# Altium PCB IntelliModule-Alpha-Baseboard.PcbDoc
Units mm, origin at the board's own origin, x right, y up, seen from the top; angles counter-clockwise.
Board outline 61 x 96 mm, 4 copper layers (Top Layer, Layer 1, Layer 2, Bottom Layer), stack 1.572 mm thick; 35 components, 50 nets, 1698 pads, 97 vias.
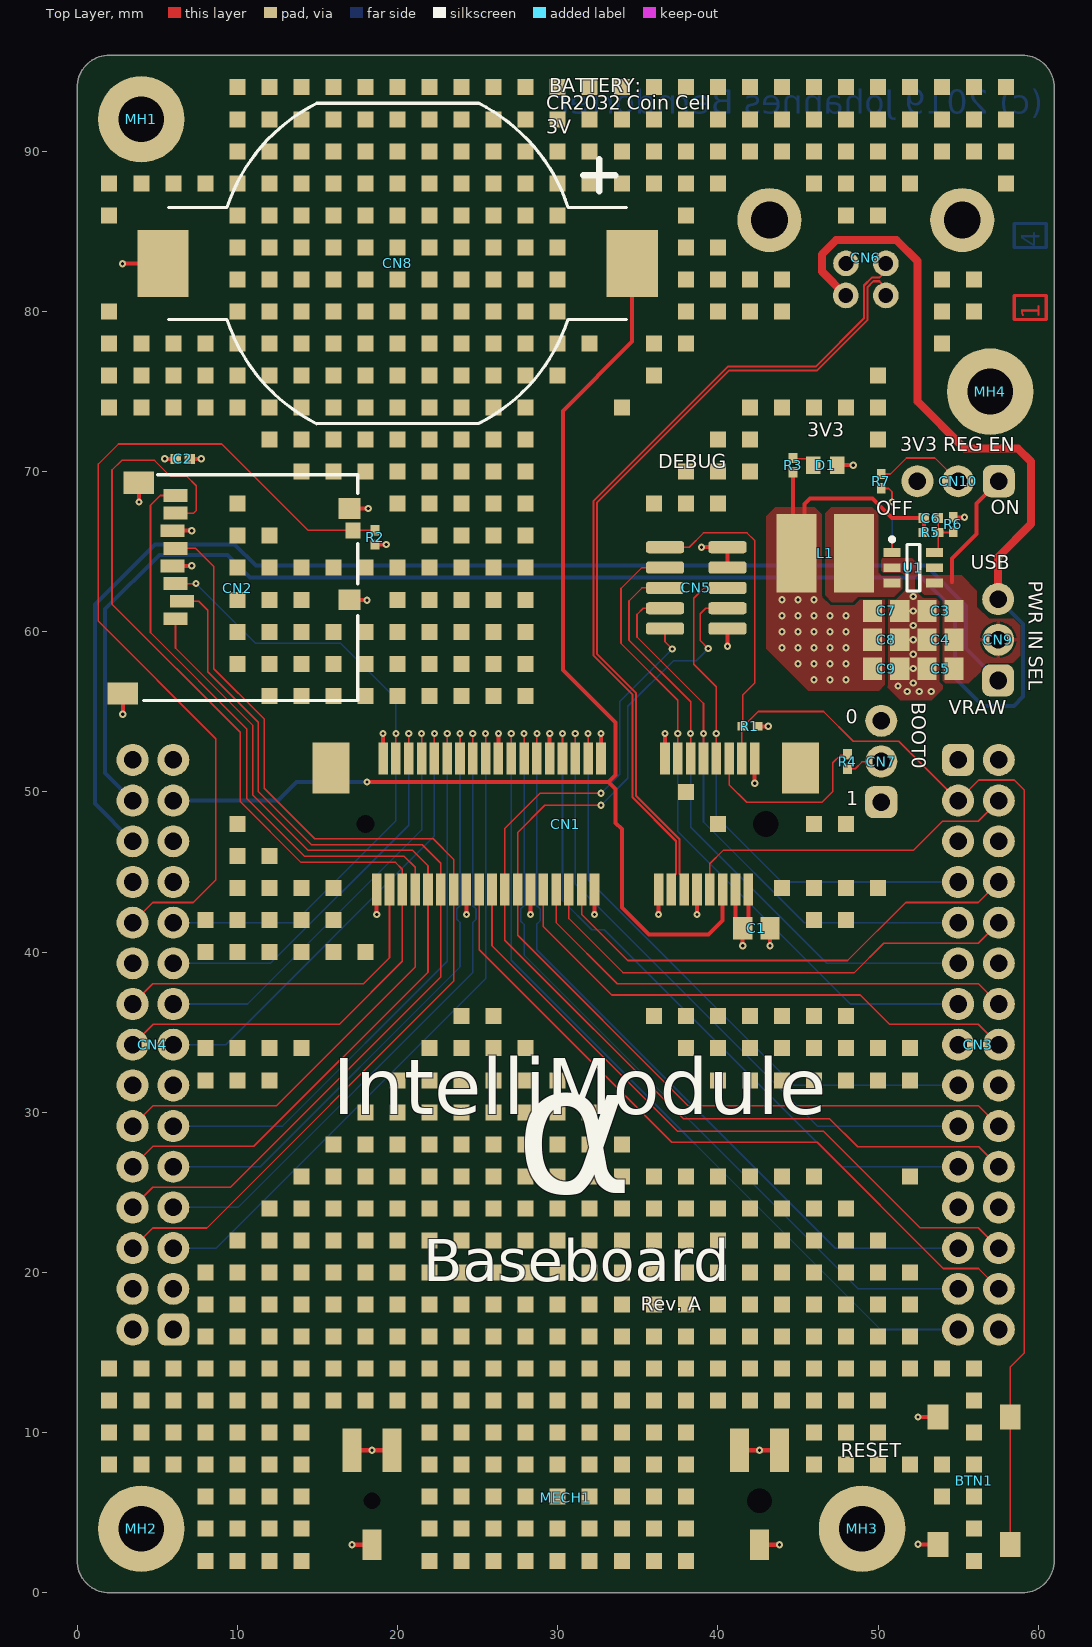
[diagram p0: Top Layer view]
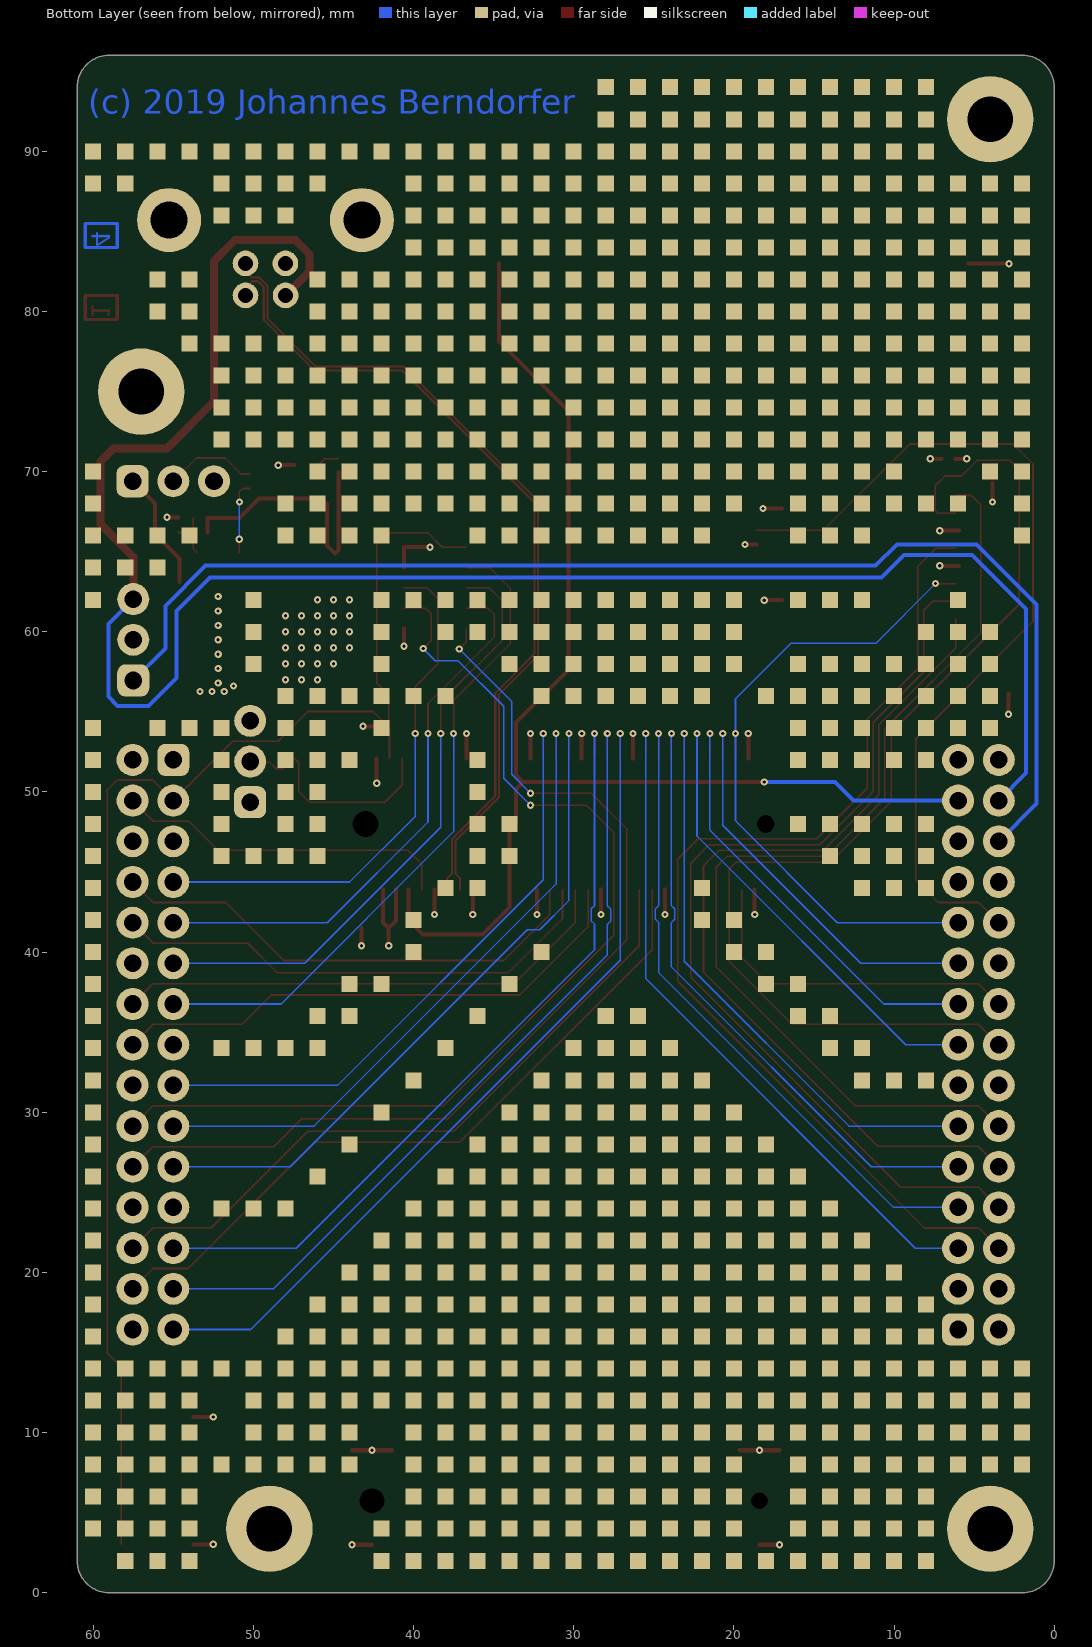
[diagram p1: Bottom Layer view, seen from below]
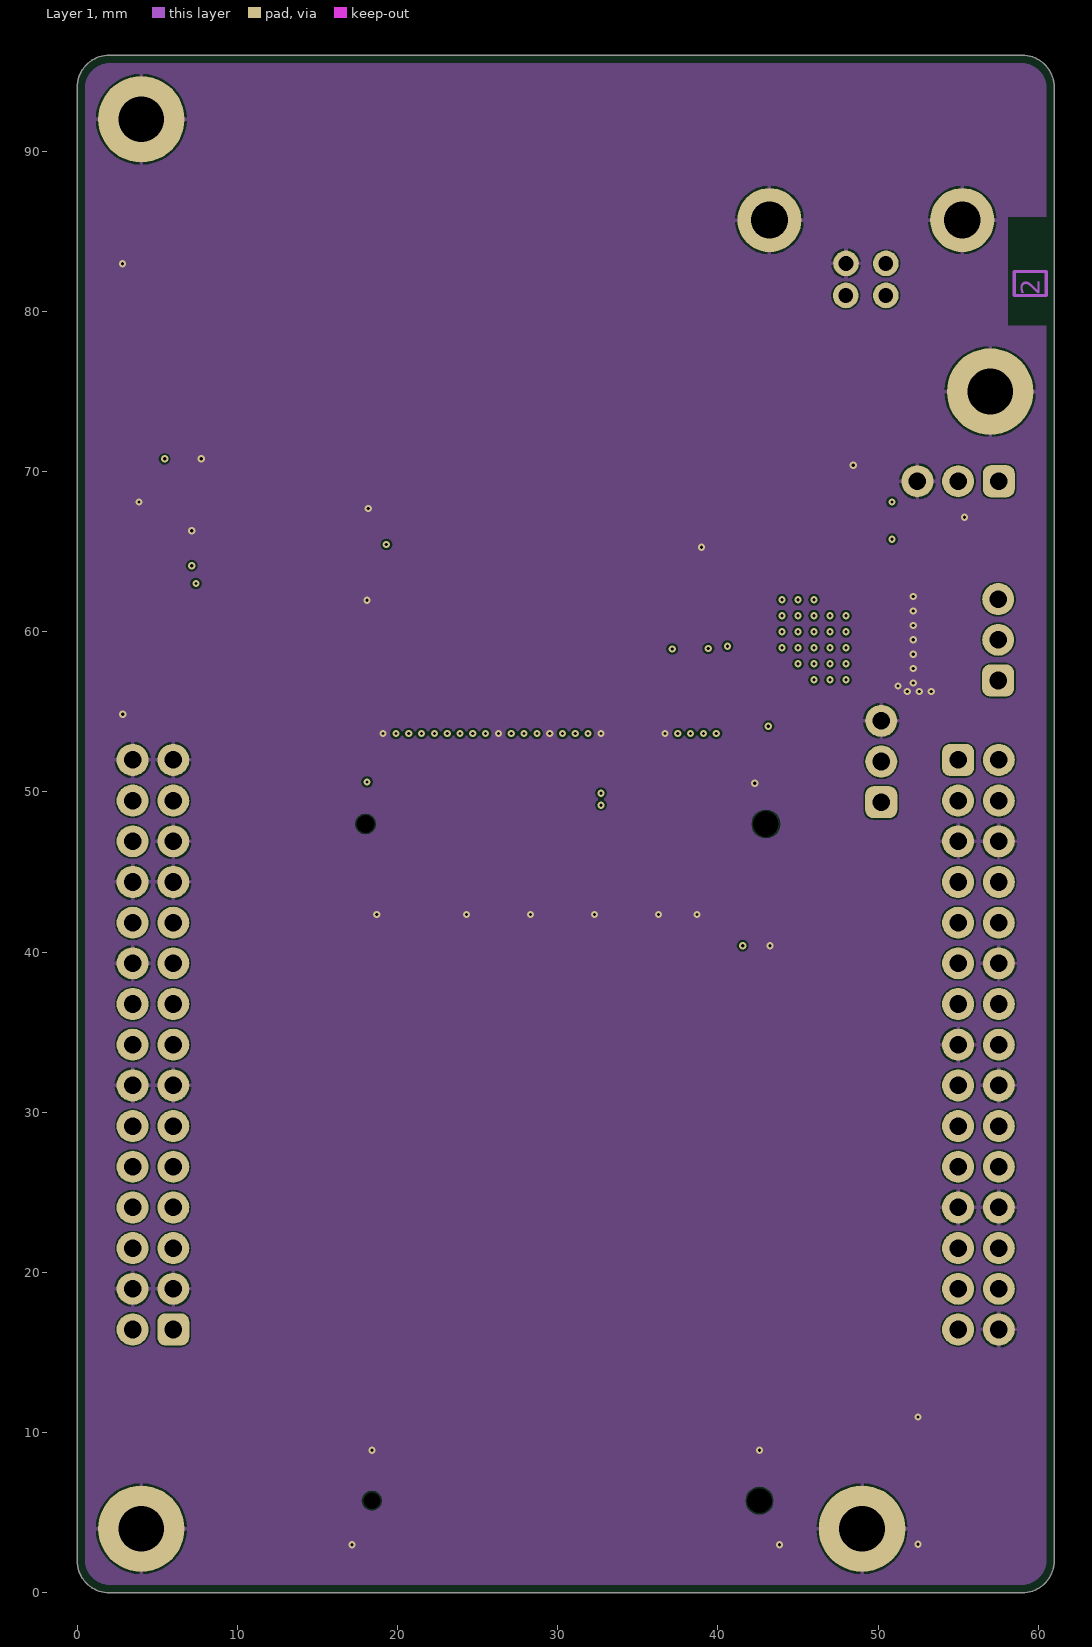
[diagram p2: Layer 1]
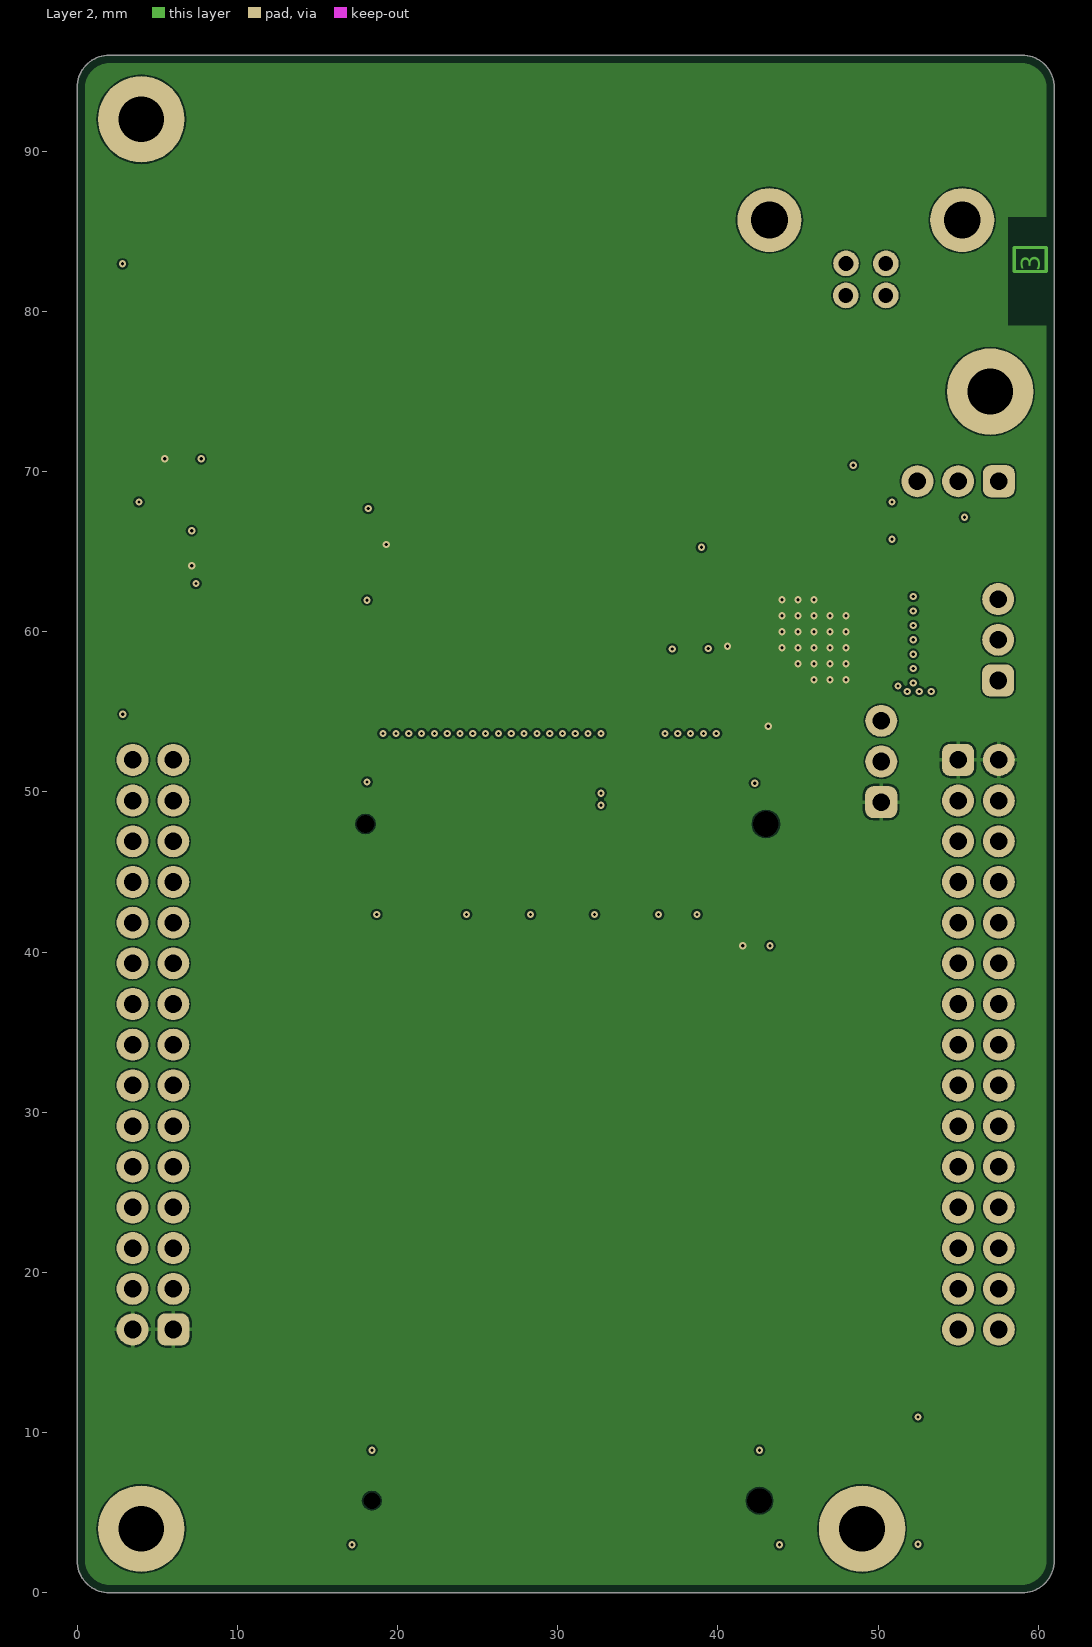
[diagram p3: Layer 2]
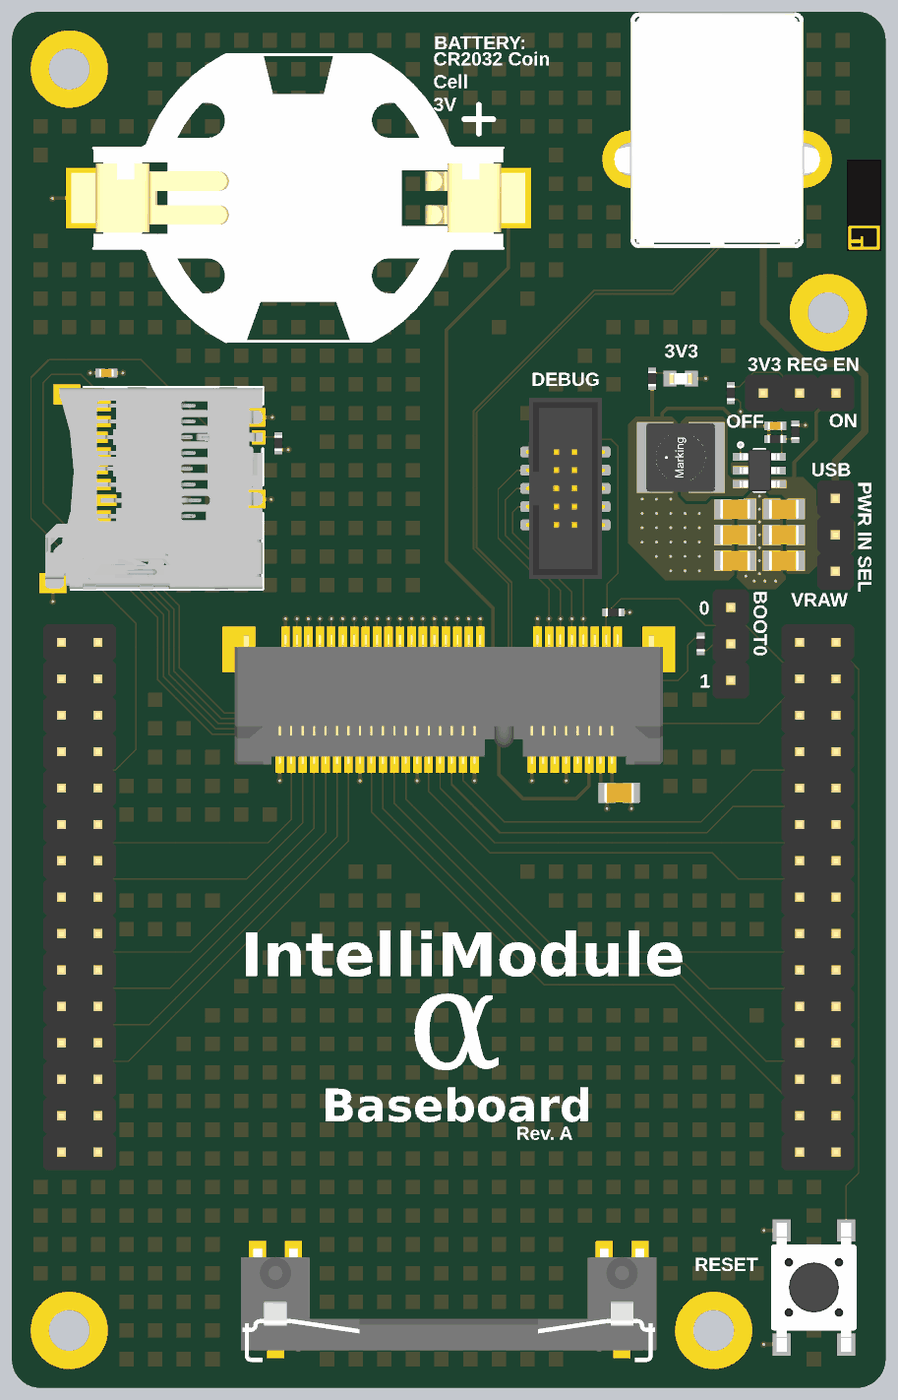
[diagram p4: 3D render of the assembled board from above, using the file's embedded part models]

## Layer stack, top to bottom
Top Solder: solder mask 0.0102, Solder Resist, Dk 3.5
Top Layer: signal copper 0.0356
Dielectric 2: prepreg 0.1, 2313-Prepreg, Dk 4.05
Layer 1: signal copper 0.0178
Dielectric 1: dielectric 1.265, FR-4, Dk 4.8
Layer 2: signal copper 0.0178
Dielectric 3: prepreg 0.1, 2313-Prepreg, Dk 4.05
Bottom Layer: signal copper 0.0356
Bottom Solder: solder mask 0.0102, Solder Resist, Dk 3.5

## Board outline
0,2 0,94 cw(c2,94) 2,96 59,96 cw(c59,94) 61,94 61,2 cw(c59,2) 59,0 2,0 cw(c2,2)

## Design rules (kind name [scope] priority, off if disabled: settings)
BoardOutlineClearance [All] p1: gap=0.127 ignorepadtopadclearanceinfootprint=FALSE except(0.5: Poly-OutlineEdge Poly-CavityEdge Poly-CutoutEdge Poly-SplitBarrior Poly-SplitContinuation)
Clearance [All] p1: gap=0.089 ignorepadtopadclearanceinfootprint=FALSE except(0.127: Arc-Via Track-Via SMDPad-Via THPad-Via Via-Via Via-Fill Via-Poly Via-Region Via-Text Via-Hole; 0.2: Poly-Poly)
ComponentClearance [All] p1: gap=0 collisioncheckmode=3 verticalgap=0 showdistances=FALSE
DiffPairsRouting [InDifferentialPairClass('DIFF90')] p1: maxlimit=0.127 minlimit=0.1 mostfreqgap=0.127 toplayer_maxgap=0.1 toplayer_prefgap=0.1 toplayer_minwidth=0.127 toplayer_maxwidth=0.127 toplayer_prefwidth=0.127 midlayer1_mingap=0.127 midlayer1_minwidth=0.096 midlayer1_maxwidth=0.096 midlayer1_prefwidth=0.096 midlayer2_mingap=0.127 midlayer2_minwidth=0.096 midlayer2_maxwidth=0.096 midlayer2_prefwidth=0.096 bottomlayer_maxgap=0.1 bottomlayer_prefgap=0.1 bottomlayer_minwidth=0.127 bottomlayer_maxwidth=0.127 bottomlayer_prefwidth=0.127 impedanceprofiledriven=TRUE impedanceprofileid={629D6194-CA2C-4616-B8B2-46A3DCE83310} maxuncoupledlength=12.7
HoleSize [All] p1: absolutevalues=TRUE maxlimit=6.3 minlimit=0.2 maxpercent=80.000 minpercent=20.000
HoleToHoleClearance [All] p1: gap=0.127 allowstackedmicrovias=TRUE
MinimumSolderMaskSliver [All] p1: minsoldermaskwidth=0.1
PolygonConnect [All] p1: thpad.connectstyle=Relief thpad.reliefconductorwidth=0.25 thpad.reliefentries=4 thpad.polygonreliefangle="90 Angle" thpad.airgapwidth=0.127 smdpad.connectstyle=Direct smdpad.reliefconductorwidth=0.25 smdpad.reliefentries=4 smdpad.polygonreliefangle="90 Angle" smdpad.airgapwidth=0.127 via.connectstyle=Direct via.reliefconductorwidth=0.254 via.reliefentries=4 via.polygonreliefangle="90 Angle" via.airgapwidth=0.254
RoutingVias [All] p1: holewidth=6.3 width=10 viastyle="Through Hole" minholewidth=0.2 minwidth=0.45 maxholewidth=0.2 maxwidth=0.45
SilkToSilkClearance [All] p1: silktosilkclearance=0
SilkToSolderMaskClearance [IsPad] p1: minsilkscreentomaskgap=0 clearancetoexposedcopper=FALSE
SolderMaskExpansion [All] p1: expansion=0.025
Width "Width Power Nets" [InNetClass('Power')] p1: maxlimit=10 minlimit=0.089 preferedwidth=0.25
Width [All] p2: maxlimit=10 minlimit=0.089 preferedwidth=0.1
23 further rules are at their usual default settings.

## Classes and differential pairs
differential pair class DIFF90: MCU_USB_D
net class Power: 3V3 GND RAW_VIN USB_VBUS VBAT_MCU VIN
differential pair MCU_USB_D: +MCU_USB_D_P -MCU_USB_D_N

## Components (designator, comment, footprint, x,y, rotation, side; value= is the part's Value field where it differs from the comment)
BTN1 "PTS645SL50SMTR92LFS" BTN-SMD-PTS645-CK 56,7 r90 top
C1 "10uF 10V" CAP-SMD-0805-1.35MM-IPC-MED 42.4,41.5 r0 top
C2 "100nF 16V" CAP-SMD-0402-0.55MM-IPC-MED 6.6,70.8 r0 top
C3 "10uF 10V" CAP-SMD-0805-1.35MM-IPC-MED 53.9,61.3 r180 top
C4 "10uF 10V" CAP-SMD-0805-1.35MM-IPC-MED 53.9,59.5 r180 top
C5 "10uF 10V" CAP-SMD-0805-1.35MM-IPC-MED 53.9,57.7 r180 top
C6 "22pF 50V" CAP-SMD-0402-0.55MM-IPC-MED 53.3,67.1 r0 top
C7 "10uF 10V" CAP-SMD-0805-1.35MM-IPC-MED 50.5,61.3 r0 top
C8 "10uF 10V" CAP-SMD-0805-1.35MM-IPC-MED 50.5,59.5 r0 top
C9 "10uF 10V" CAP-SMD-0805-1.35MM-IPC-MED 50.5,57.7 r0 top
CN1 "1775838-2" CON-SMD-PCIE-MINI-52POS-1775838-2-TE 43,48 r180 top
CN2 "47352-1001" CON-SMD-MICROSD-PUSHPULL-9POS-0473521001-MOLEX 6.14,68.51 r270 top locked
CN3 "PRPC015DAAN-RC" CON-THT-PINHEADER-2.54MM-30POS-2X15 55,52 r270 top locked
CN4 "PRPC015DAAN-RC" CON-THT-PINHEADER-2.54MM-30POS-2X15 6,16.44 r90 top locked
CN5 "3220-10-0300-00" CON-SMD-PINHEADER-SHIELDED-1.27MM-10POS-2X5-3220-10-0300-00-CNC-TECH 38.65,62.74 r270 top locked
CN6 "UJ2-BH-1-TH" CON-THT-USB-B-4POS-UJ2-BH-1-TH-CUI 49.24,82 r180 top locked
CN7 "PRPC003SAAN-RC" CON-THT-PINHEADER-2.54MM-3POS-1X3 50.2,49.36 r90 top
CN8 "BU2032SM-JJ-GTR" CON-SMD-BU2032SM-JJ-GTR 20,83 r180 top locked
CN9 "PRPC003SAAN-RC" CON-THT-PINHEADER-2.54MM-3POS-1X3 57.5,56.96 r90 top
CN10 "PRPC003SAAN-RC" CON-THT-PINHEADER-2.54MM-3POS-1X3 57.54,69.4 r180 top
D1 "150060VS75000" LED-SMD-0603 46.7,70.4 r180 top
L1 "7440430022" IND-SMD-7440430022-3MM 46.7,64.9 r180 top
MECH1 "MM60-EZH059-B5-R650" CON-SMD-PCIE-MINI-LATCH-0POS-MM60-EZH059-B5-R650-JAE 42.6,5.75 r180 top
MH1 "2.85mm PTH" MECH-HOLE-PTH-2.85MM-5.4MM 4,92 r0 top locked
MH2 "2.85mm PTH" MECH-HOLE-PTH-2.85MM-5.4MM 4,4 r0 top locked
MH3 "2.85mm PTH" MECH-HOLE-PTH-2.85MM-5.4MM 49,4 r0 top locked
MH4 "2.85mm PTH" MECH-HOLE-PTH-2.85MM-5.4MM 57,75 r0 top locked
R1 "10kR 1%" RES-SMD-0402-0.4MM-IPC-MED 42,54.1 r180 top
R2 "10kR 1%" RES-SMD-0402-0.4MM-IPC-MED 18.6,65.9 r90 top
R3 "240R 1%" RES-SMD-0402-0.4MM-IPC-MED 44.7,70.4 r90 top
R4 "10kR 1%" RES-SMD-0402-0.4MM-IPC-MED 48.1,51.9 r270 top
R5 "RC0402FR-07270KL" RES-SMD-0402-0.4MM-IPC-MED 53.3,66.2 r0 top
R6 "RC0402FR-0760K4L" RES-SMD-0402-0.4MM-IPC-MED 54.7,66.7 r90 top
R7 "10kR 1%" RES-SMD-0402-0.4MM-IPC-MED 50.2,69.4 r90 top
U1 "AP3419KTTR-G1" SOT-23-6-H1MM-DIODES-INC 52.2,64 r0 top

## Footprints (in the part's own frame and the unit in brackets; to place one, negate y for a bottom-side part, rotate by r counter-clockwise, add the part's x,y. Pads: shape width x height; smd on the part's side, far side on the other; paste and mask are expansions set on the pad)
BTN-SMD-PTS645-CK [mm] "PTS645 SMD Button"
  rect 1.55x1.3 smd: 1(-3.975,2.25) 2(3.975,2.25) 3(-3.975,-2.25) 4(3.975,-2.25)
  body extent -4.5,-3 4.5,3, height 4.3
CAP-SMD-0402-0.55MM-IPC-MED [mm] "0402 Capacitor, 0.55mm Height, IPC Medium Density"
  rect 0.66x0.62 smd: 1(-0.44,0) 2(0.44,0)
  body extent -0.53,-0.28 0.53,0.28, height 0.55
CAP-SMD-0805-1.35MM-IPC-MED [mm] "0805 Capacitor, 1.35mm Height, IPC Medium Density"
  rect 1.2x1.4 smd: 1(-0.85,0) 2(0.85,0)
  body extent -1.05,-0.67 1.05,0.67, height 1.35
CON-SMD-BU2032SM-JJ-GTR [mm]
  rect 3.2x4.2 smd paste-5: 1(-14.65,0) 2(14.65,0)
  silkscreen extent -14.3,-10.01 14.3,10.01, body extent -15.85,-10 15.85,10, height 5.35
CON-SMD-MICROSD-PUSHPULL-9POS-0473521001-MOLEX [mm] "0473521001 MicroSD PushPull SMD Connector, Molex"
  rect 0.8x1.5 smd paste-5: 1(7.7,0) 2(6.6,0.4) 3(5.5,0) 4(4.4,-0.2) 5(3.3,0) 6(2.2,-0.2) 7(1.1,0) 8(0,0)
  rect 1x0.95 smd paste-5: 9(2.2,11.085)
  rect 1.4x1.9 smd paste-5: SH(-0.79,-2.29) SH(12.36,-3.29)
  rect 1.3x1.4 smd paste-5: SH(0.81,10.86) SH(6.51,10.86)
  silkscreen extent -1.3,-2 12.8,11.38, body extent -1.3,-3.82 12.8,11.38, height 1.95
CON-SMD-PCIE-MINI-52POS-1775838-2-TE [mm] "1775838-2 PCIe Mini Card SMD Connector, TE"
  rect 2.3x3.2 smd paste-5: 0(-2.15,-3.5) 0(27.15,-3.5)
  rect 0.6x2 smd paste-5: 1(0.7,-4.1) 2(1.1,4.1) 3(1.5,-4.1) 4(1.9,4.1) 5(2.3,-4.1) 6(2.7,4.1) 7(3.1,-4.1) 8(3.5,4.1) 9(3.9,-4.1) 10(4.3,4.1) 11(4.7,-4.1) 12(5.1,4.1) 13(5.5,-4.1) 14(5.9,4.1) 15(6.3,-4.1) 16(6.7,4.1) 17(10.3,-4.1) 18(10.7,4.1) 19(11.1,-4.1) 20(11.5,4.1) 21(11.9,-4.1) 22(12.3,4.1) 23(12.7,-4.1) 24(13.1,4.1) 25(13.5,-4.1) 26(13.9,4.1) 27(14.3,-4.1) 28(14.7,4.1) 29(15.1,-4.1) 30(15.5,4.1) 31(15.9,-4.1) 32(16.3,4.1) 33(16.7,-4.1) 34(17.1,4.1) 35(17.5,-4.1) 36(17.9,4.1) 37(18.3,-4.1) 38(18.7,4.1) 39(19.1,-4.1) 40(19.5,4.1) 41(19.9,-4.1) 42(20.3,4.1) 43(20.7,-4.1) 44(21.1,4.1) 45(21.5,-4.1) 46(21.9,4.1) 47(22.3,-4.1) 48(22.7,4.1) 49(23.1,-4.1) 50(23.5,4.1) 51(23.9,-4.1) 52(24.3,4.1)
  round 0 hole 1.6 unplated paste-5: ""(0,0)
  round 0 hole 1.1 unplated paste-5: ""(25,0)
  body extent -2.45,-4.58 27.45,4.5, height 5.58
CON-SMD-PCIE-MINI-LATCH-0POS-MM60-EZH059-B5-R650-JAE [mm] "MM60-EZH059-B5-R650 PCIe Mini Card Latch SMD, JAE"
  rect 1.2x2.7 smd paste-5: 0(-1.25,-3.15) 0(1.25,-3.15) 0(22.95,-3.15) 0(25.45,-3.15)
  rect 1.2x1.9 smd paste-5: 0(0,2.75) 0(24.2,2.75)
  round 0 hole 1.55 unplated paste-5: ""(0,0)
  round 0 hole 1.05 unplated paste-5: ""(24.2,0)
  body extent -2.4,-3.95 26.6,3.95, height 6.8
CON-SMD-PINHEADER-SHIELDED-1.27MM-10POS-2X5-3220-10-0300-00-CNC-TECH [mm] "3220-10-0300-00 2X5 1.27mm Pinheader SMD Connector, CNC Tech"
  rrect50% 0.76x2.4 smd: 1(-2.54,-1.95) 2(-2.54,1.95) 3(-1.27,-1.95) 4(-1.27,1.95) 5(0,-1.95) 6(0,1.95) 7(1.27,-1.95) 8(1.27,1.95) 9(2.54,-1.95) 10(2.54,1.95)
  body extent -6.32,-2.75 6.33,2.75, height 5.6
CON-THT-PINHEADER-2.54MM-3POS-1X3 [mm] "1X3 2.54mm Pinheader THT Connector"
  rrect50% 2x2 hole 1.1 paste-5: 1(0,0)
  round 2 hole 1.1 paste-5: 2(2.54,0) 3(5.08,0)
  body extent -1.27,-1.27 6.35,1.27, height 8.54
CON-THT-PINHEADER-2.54MM-30POS-2X15 [mm] "2X15 2.54mm Pinheader THT Connector"
  rrect50% 2x2 hole 1.1 paste-5: 1(0,0)
  round 2 hole 1.1 paste-5: 2(0,2.54) 3(2.54,0) 4(2.54,2.54) 5(5.08,0) 6(5.08,2.54) 7(7.62,0) 8(7.62,2.54) 9(10.16,0) 10(10.16,2.54) 11(12.7,0) 12(12.7,2.54) 13(15.24,0) 14(15.24,2.54) 15(17.78,0) 16(17.78,2.54) 17(20.32,0) 18(20.32,2.54) 19(22.86,0) 20(22.86,2.54) 21(25.4,0) 22(25.4,2.54) 23(27.94,0) 24(27.94,2.54) 25(30.48,0) 26(30.48,2.54) 27(33.02,0) 28(33.02,2.54) 29(35.56,0) 30(35.56,2.54)
  body extent -1.27,-1.27 36.83,3.81, height 8.54
CON-THT-USB-B-4POS-UJ2-BH-1-TH-CUI [mm] "UJ2-BH-1-TH USB-B THT Connector, CUI"
  round 1.6 hole 0.92: 1(1.25,1) 2(-1.25,1) 3(-1.25,-1) 4(1.24,-1)
  round 4 hole 2.3: SH(-6.02,-3.71) SH(6.02,-3.71)
  body extent -7.5,-13.95 7.5,2.5, height 10.8
IND-SMD-7440430022-3MM [mm] "7440430022 Inductor, 3mm Height"
  rect 2.5x4.9 smd: 1(-1.8,0) 2(1.8,0)
  body extent -2.4,-2.4 2.4,2.4, height 2.8
LED-SMD-0603 [mm] "0603 SMD LED"
  rect 0.9x1.1 smd: 1(-0.75,0) 2(0.75,0)
  body extent -0.8,-0.4 0.8,0.4, height 1.1
MECH-HOLE-PTH-2.85MM-5.4MM [mm]
  round 5.4 hole 2.85 paste-5: 1(0,0)
RES-SMD-0402-0.4MM-IPC-MED [mm] "0402 Resistor, 0.4mm Height, IPC Medium Density"
  rect 0.65x0.55 smd: 1(-0.45,0) 2(0.45,0)
  body extent -0.53,-0.28 0.53,0.28, height 0.4
SOT-23-6-H1MM-DIODES-INC [mm] "SOT23, 6-Leads, Body 2,90x2,80mm, Pitch 0,95mm, IPC Medium Density"
  rect 1.05x0.55 smd: 1(-1.325,0.95) 2(-1.325,0) 3(-1.325,-0.95) 4(1.325,-0.95) 5(1.325,0) 6(1.325,0.95)
  silkscreen extent -1.45,-1.45 0.4,1.9, body extent -1.4,-1.45 1.4,1.45, height 1

## Part data
BTN1: "BTN TACT SPST-NO 12V 50mA SMD BLACK", Color=Black, Current Rating=50mA, Internal Part Number=BTN000006, Manufacturer="ITT C&K", Max Operating Temperature=60°C, Max Voltage Rating (DC)=12V, Min Operating Temperature=-20°C, Operating Force=1.27N, Package Quantity=1000, Supplier Part Number 1=CKN9088CT-ND, Actuator Material=Nylon,Polyamide, Actuator Type=Standard, ComponentLink1Description=https://datasheet.ciiva.com/26927/getdatasheetpartid-760859-26927133.pdf?src-supplier=Verical, ComponentLink1URL=https://datasheet.ciiva.com/26927/getdatasheetpartid-760859-26927133.pdf?src-supplier=Verical, ComponentLink2Description=https://datasheet.ciiva.com/14920/pts645-14920742.pdf?src-supplier=Digi-Key, ComponentLink2URL=https://datasheet.ciiva.com/14920/pts645-14920742.pdf?src-supplier=Digi-Key, ComponentLink3Description=https://datasheet.ciiva.com/14920/pts645-14920743.pdf?src-supplier=Digi-Key, ComponentLink3URL=https://datasheet.ciiva.com/14920/pts645-14920743.pdf?src-supplier=Digi-Key, ComponentLink4Description=https://datasheet.ciiva.com/14920/pts645-14920744.pdf?src-supplier=Digi-Key, ComponentLink4URL=https://datasheet.ciiva.com/14920/pts645-14920744.pdf?src-supplier=Digi-Key, ComponentLink5Description=https://datasheet.ciiva.com/46429/1839862-46429337.pdf?src-supplier=Element14, ComponentLink5URL=https://datasheet.ciiva.com/46429/1839862-46429337.pdf?src-supplier=Element14, ComponentLink6Description=https://datasheet.ciiva.com/46429/1839862-46429338.pdf?src-supplier=Element14, ComponentLink6URL=https://datasheet.ciiva.com/46429/1839862-46429338.pdf?src-supplier=Element14, Contact Material=Bronze, Contact Plating=Silver, Depth=9mm, Illumination Type=Non-Illuminated, Lead Free="Lead Free", Length=6mm, Manufacturer Part Number=PTS645SL50SMTR92LFS, Max Current Rating=50mA, Mechanical Life=100000Cycles, Mount="Surface Mount", Orientation=Straight, Packaging="Tape and Reel", Pricing 1="1 = 0,31000, 10 = 0,30000, 25 = 0,29000, 50 = 0,27960, 100 = 0,26410, 250 = 0,24860, 500 = 0,23822 (USD)", REACH SVHC="No SVHC", RoHS=Yes, Stock 1=127172, Supplier 1=Digi-Key, Switch Function=Off-Mom, Termination="Gull Wing", Throw Configuration=SPST, Voltage Rating (DC)=12V
C1 C3 C4 C5 C7 C8 C9: library part CL21A106KPFNNNG, "CAP CER 10U 10V X5R 10% SMD 0805 85C SAMSUNG", Capacitance=10uF, Case/Package=0805, Case Code (Metric)=2012, Dielectric=X5R, Internal Part Number=CCER000039, Manufacturer 1=Samsung, Max Operating Temperature=85°C, Min Operating Temperature=-55°C, Package Quantity=3000, Supplier Part Number 1=1276-6456-1-ND, Tolerance=10%, Voltage=10V, Case Code (Imperial)=0805, ComponentLink1Description=https://datasheet.ciiva.com/16428/cl21a106kpfnnng-16428896.pdf?src-supplier=Future+Electronics, ComponentLink1URL=https://datasheet.ciiva.com/16428/cl21a106kpfnnng-16428896.pdf?src-supplier=Future+Electronics, ComponentLink2Description=https://datasheet.ciiva.com/26936/getdatasheetpartid-640497-26936900.pdf?src-supplier=Verical, ComponentLink2URL=https://datasheet.ciiva.com/26936/getdatasheetpartid-640497-26936900.pdf?src-supplier=Verical, Depth=1.25mm, Height=1.25mm, Lead Free="Lead Free", Length=2mm, Manufacturer Part Number 1=CL21A106KPFNNNG, Mount="Surface Mount", Packaging="Tape and Reel", Pricing 1="1=0,14000, 10=0,10000, 100=0,04690, 500=0,03290, 1000=0,02724 (USD)", Radiation Hardening=No, RoHS=Yes, Stock 1=884042, Supplier 1=Digi-Key, Termination=Wraparound, Thickness=0.053inch, Voltage Rating=10V, Width=0.049inch
C2: library part CL05B104KO5NNNC, "CAP CER 100N 16V X7R 10% SMD 0402 125C SAMSUNG", Capacitance=100nF, Case/Package=0402, Case Code (Metric)=1005, Dielectric=X7R, Internal Part Number=CCER000002, Manufacturer 1=Samsung, Max Operating Temperature=125°C, Min Operating Temperature=-55°C, Package Quantity=1, Supplier Part Number 1=1276-1001-6-ND, Tolerance=10%, Voltage=16V, Case Code (Imperial)=0402, ComponentLink1Description=https://datasheet.ciiva.com/26920/getdatasheetpartid-359683-26920169.pdf?src-supplier=Verical, ComponentLink1URL=https://datasheet.ciiva.com/26920/getdatasheetpartid-359683-26920169.pdf?src-supplier=Verical, ComponentLink2Description=https://datasheet.ciiva.com/29198/458718-da-01-en-vs-kondensator-0402-29198423.pdf?src-supplier=Conrad, ComponentLink2URL=https://datasheet.ciiva.com/29198/458718-da-01-en-vs-kondensator-0402-29198423.pdf?src-supplier=Conrad, ComponentLink3Description=https://datasheet.ciiva.com/16208/cl05b104kq5nnnc-16208343.pdf?src-supplier=Future+Electronics, ComponentLink3URL=https://datasheet.ciiva.com/16208/cl05b104kq5nnnc-16208343.pdf?src-supplier=Future+Electronics, ComponentLink4Description=https://datasheet.ciiva.com/26309/mlcc-catalogdownload2013-eng-26309003.pdf?src-supplier=Distrelec, ComponentLink4URL=https://datasheet.ciiva.com/26309/mlcc-catalogdownload2013-eng-26309003.pdf?src-supplier=Distrelec, Contact Plating=Tin, Depth=0.5mm, Height=0.5mm, Lead Free="Lead Free", Length=1mm, Manufacturer Part Number 1=CL05B104KO5NNNC, Material=Ceramic, Mount="Surface Mount", Packaging="Tape and Reel", Pricing 1="1=0,10000, 10=0,02400, 100=0,01070, 500=0,00766, 1000=0,00602, 2500=0,00548, 5000=0,00504 (USD)", Radiation Hardening=No, RoHS=Yes, Stock 1=53930414, Supplier 1=Digi-Key, Thickness=0.022inch, Voltage Rating=16V, Voltage Rating (DC)=16V, Width=0.02inch
C6: library part CL05C220JB5NNNC, "CAP CER 22P 50V C0G 5% SMD 0402 125C SAMSUNG", Capacitance=22pF, Case/Package=0402, Case Code (Metric)=1005, Dielectric=C0G, Internal Part Number=CCER000013, Manufacturer=Samsung, Max Operating Temperature=125°C, Min Operating Temperature=-55°C, Package Quantity=1, Supplier Part Number 1=1276-1116-1-ND, Temperature Coefficient=300ppm/°C, Tolerance=5%, Voltage=50V, Case Code (Imperial)=0402, ComponentLink1Description=https://datasheet.ciiva.com/15195/getdatasheetpartid-358448-15195679.pdf?src-supplier=Verical, ComponentLink1URL=https://datasheet.ciiva.com/15195/getdatasheetpartid-358448-15195679.pdf?src-supplier=Verical, ComponentLink2Description=https://datasheet.ciiva.com/29198/458663-da-01-en-vs-kondensator-0402-29198414.pdf?src-supplier=Conrad, ComponentLink2URL=https://datasheet.ciiva.com/29198/458663-da-01-en-vs-kondensator-0402-29198414.pdf?src-supplier=Conrad, ComponentLink3Description=https://datasheet.ciiva.com/16199/cl05b104kq5nnnc-16199080.pdf?src-supplier=Future+Electronics, ComponentLink3URL=https://datasheet.ciiva.com/16199/cl05b104kq5nnnc-16199080.pdf?src-supplier=Future+Electronics, ComponentLink4Description=https://datasheet.ciiva.com/26309/mlcc-catalogdownload2013-eng-26309032.pdf?src-supplier=Distrelec, ComponentLink4URL=https://datasheet.ciiva.com/26309/mlcc-catalogdownload2013-eng-26309032.pdf?src-supplier=Distrelec, Contact Plating=Tin, Depth=0.5mm, Height=0.5mm, Length=1mm, Manufacturer Part Number=CL05C220JB5NNNC, Material=Ceramic, Mount="Surface Mount", Packaging="Tape and Reel", Pricing 1="1 = 0,10000, 10 = 0,03300, 100 = 0,01480, 500 = 0,01058, 1000 = 0,00831, 2500 = 0,00755, 5000 = 0,00695 (USD)", Radiation Hardening=No, RoHS=Yes, Stock 1=1663917, Supplier 1=Digi-Key, Thickness=0.022inch, Voltage Rating=50V, Width=0.02inch
CN1: "CON MINI PCIE CARD EDGE 52POS SMD", Flammability Rating="UL94 V-0", High Temperature Housing=Yes, Housing Color=Black, Internal Part Number=CON000010, Manufacturer 1="TE Connectivity AMP", Package Quantity=500, Supplier Part Number 1=A123340CT-ND, ComponentLink1Description=https://datasheet.ciiva.com/16468/eng-ds-8-1773459-7-express-mini-card-qrg-1011-16468375.pdf?src-supplier=Avnet+Asia, ComponentLink1URL=https://datasheet.ciiva.com/16468/eng-ds-8-1773459-7-express-mini-card-qrg-1011-16468375.pdf?src-supplier=Avnet+Asia, ComponentLink2Description=https://datasheet.ciiva.com/48777/eng-ds-8-1773459-7-express-mini-card-qrg-1011-48777258.pdf?src-supplier=Onlinecomponents.com, ComponentLink2URL=https://datasheet.ciiva.com/48777/eng-ds-8-1773459-7-express-mini-card-qrg-1011-48777258.pdf?src-supplier=Onlinecomponents.com, ComponentLink3Description=https://datasheet.ciiva.com/10924/eng-ds-8-1773459-7-express-mini-card-qrg-1011-10924539.pdf?src-supplier=Avnet, ComponentLink3URL=https://datasheet.ciiva.com/10924/eng-ds-8-1773459-7-express-mini-card-qrg-1011-10924539.pdf?src-supplier=Avnet, Connector Type=Receptacle, Contact Material="Copper Alloy", Contact Plating=Gold, ELV=Compliant, Housing Material=Thermoplastic, Lead Free="Lead Free", Manufacturer Part Number 1=1775838-2, Mount="Surface Mount", Number of Positions=52, Number of Rows=2, Orientation="Right Angle", Packaging="Tape and Reel", PCB Mounting Orientation=Vertical, PCB Mount Retention=Without, Pitch=0.8mm, Pricing 1="1=0,76000, 10=0,67100, 25=0,63160, 50=0,60520, 100=0,57880, 250=0,52620 (USD)", RoHS=Yes, Row Spacing=0.031inch, Stackable=No, Stack Height=5.6mm, Stock 1=12692, Supplier 1=Digi-Key, Termination=Solder
CN2: library part "MOLEX 47352-1001", "CON MICROSD SMD PUSH PUSH TYPE VSS SW", Internal Part Number=CON000011, Manufacturer 1=Molex, Max Operating Temperature=85°C, Max Voltage Rating (DC)=100V, Min Operating Temperature=-20°C, Package Quantity=1, Supplier Part Number 1=WM3290CT-ND, ComponentLink1Description=https://datasheet.ciiva.com/11755/0900766b80f75287-11755041.pdf?src-supplier=RSComponents, ComponentLink1URL=https://datasheet.ciiva.com/11755/0900766b80f75287-11755041.pdf?src-supplier=RSComponents, ComponentLink2Description=https://datasheet.ciiva.com/16547/0473521001-memory-card-socket-16547169.pdf?src-supplier=Avnet+Europe, ComponentLink2URL=https://datasheet.ciiva.com/16547/0473521001-memory-card-socket-16547169.pdf?src-supplier=Avnet+Europe, ComponentLink3Description=https://datasheet.ciiva.com/683/473521001-sd-683625.pdf?src-supplier=Digi-Key, ComponentLink3URL=https://datasheet.ciiva.com/683/473521001-sd-683625.pdf?src-supplier=Digi-Key, ComponentLink4Description=https://datasheet.ciiva.com/30105/0473521001-memory-card-socket-30105258.pdf?src-supplier=Onlinecomponents.com, ComponentLink4URL=https://datasheet.ciiva.com/30105/0473521001-memory-card-socket-30105258.pdf?src-supplier=Onlinecomponents.com, ComponentLink5Description=https://datasheet.ciiva.com/683/473521001-sd-683627.pdf?src-supplier=Digi-Key, ComponentLink5URL=https://datasheet.ciiva.com/683/473521001-sd-683627.pdf?src-supplier=Digi-Key, Connector Type=Connector, Contact Material="Copper Alloy", Contact Plating=Gold, Depth=15.2mm, Gender=Male, Housing Material=Polymer, Length=14mm, Manufacturer Part Number 1=47352-1001, Mount="Surface Mount", Number of Contacts=8, Number of Rows=1, Orientation="Right Angle", Packaging="Tape and Reel", Pitch=1.1mm, Pricing 1="1=3,94000, 10=3,78500, 25=3,47000, 50=3,31240, 100=3,15460, 250=2,76024 (USD)", Radiation Hardening=No, RoHS=Yes, Stock 1=16604, Supplier 1=Digi-Key, Termination=Solder
CN3 CN4: "CON PINHDR 2MM54 2X15", Color=Black, Internal Part Number=CON000001, Manufacturer=Sullins, Package Quantity=1, Supplier Part Number 1=S2011EC-15-ND, ComponentLink1Description=https://datasheet.ciiva.com/741/xrxczzzdxxn-rc-11636-b-741270.pdf?src-supplier=Digi-Key, ComponentLink1URL=https://datasheet.ciiva.com/741/xrxczzzdxxn-rc-11636-b-741270.pdf?src-supplier=Digi-Key, Connector Type="Male Pin", Contact Mating Length=0.23inch, Contact Plating=Gold, Manufacturer Part Number=PRPC015DAAN-RC, Mount="Through Hole", Number of Positions=30, Number of Rows=2, Packaging=Bulk, Pitch=0.1inch, Pricing 1="1 = 0,74000, 10 = 0,69700, 25 = 0,62680, 50 = 0,55720, 100 = 0,53410, 250 = 0,48764, 500 = 0,46440 (USD)", RoHS=Yes, Row Spacing=0.1inch, Stock 1=2778, Supplier 1=Digi-Key, Termination=Solder
CN5: "CON PINHDR SMD 1.27MM SHIELDED KEYED CNC TECH 10POS", Internal Part Number=CON000024, Manufacturer 1="CNC Tech", Package Quantity=3200, Supplier Part Number 1=1175-1629-ND, ComponentLink1Description=https://datasheet.ciiva.com/18655/3220-xx-0300-00-18655365.pdf?src-supplier=Digi-Key, ComponentLink1URL=https://datasheet.ciiva.com/18655/3220-xx-0300-00-18655365.pdf?src-supplier=Digi-Key, Connector Type="Male Pin", Contact Plating=Gold, Manufacturer Part Number 1=3220-10-0300-00, Mount="Surface Mount", Number of Positions=10, Number of Rows=2, Packaging=Tray, Pitch=0.05inch, Pricing 1="1=0,74000, 10=0,69000, 100=0,52900, 500=0,46000, 3200=0,34500, 6400=0,33350, 12800=0,30590 (USD)", RoHS=Yes, Row Spacing=0.05inch, Stock 1=107713, Supplier 1=Digi-Key, Termination=Solder
CN6: "CON USB 2.0 B THROUGH HOLE WHTE INSULATOR", Internal Part Number=CON000007, Manufacturer=CUI, Supplier Part Number 1=102-3999-ND, ComponentLink1Description=https://www.cui.com/product/resource/digikeypdf/uj2-bh-th.pdf?src-supplier=Digi-Key, ComponentLink1URL=https://www.cui.com/product/resource/digikeypdf/uj2-bh-th.pdf?src-supplier=Digi-Key, Connector Type=Jack, Features=Shielded, Gender=Receptacle, Lead Free="Lead Free", Manufacturer Part Number=UJ2-BH-1-TH, Mount="Through Hole,Horizontal", Number of Contacts=4, Number of Pins=4, Orientation=Horizontal, Packaging=Tray, RoHS=Yes, Stock 1=0, Supplier 1=Digi-Key
CN7 CN9 CN10: "CON PINHDR 2.54MM 1x03", Color=Black, Internal Part Number=CON000025, Manufacturer=Sullins, Package Quantity=1, Supplier Part Number 1=S1011EC-03-ND, ComponentLink1Description=https://datasheet.ciiva.com/741/xrxczzzsxxn-rc-st-11635-b-741242.pdf?src-supplier=Digi-Key, ComponentLink1URL=https://datasheet.ciiva.com/741/xrxczzzsxxn-rc-st-11635-b-741242.pdf?src-supplier=Digi-Key, Connector Type="Male Pin", Contact Mating Length=0.23inch, Contact Plating=Gold, Manufacturer Part Number=PRPC003SAAN-RC, Mount="Through Hole", Number of Positions=3, Number of Rows=1, Packaging=Bulk, Pitch=0.1inch, Pricing 1="1 = 0,12000, 10 = 0,10900, 25 = 0,08120, 50 = 0,06960, 100 = 0,06730, 250 = 0,05804, 500 = 0,05572 (USD)", RoHS=Yes, Stock 1=16923, Supplier 1=Digi-Key, Termination=Solder
CN8: "CON BATTERY HOLDER 2032 COINCELL SMD", Internal Part Number=CON000026, Manufacturer="Memory Protection Devices", Max Operating Temperature=280°C, Min Operating Temperature=-40°C, Package Quantity=400, Supplier Part Number 1=BU2032SM-JJ-GCT-ND, ComponentLink1Description=https://datasheet.ciiva.com/3/bu2032sm-jj-gtr-datasheet-3835.pdf?src-supplier=Digi-Key, ComponentLink1URL=https://datasheet.ciiva.com/3/bu2032sm-jj-gtr-datasheet-3835.pdf?src-supplier=Digi-Key, ComponentLink2Description=https://datasheet.ciiva.com/3/bu2032sm-jj-gtr-datasheet-3836.pdf?src-supplier=Digi-Key, ComponentLink2URL=https://datasheet.ciiva.com/3/bu2032sm-jj-gtr-datasheet-3836.pdf?src-supplier=Digi-Key, ComponentLink3Description=https://datasheet.ciiva.com/3/bu2032sm-jj-gtr-datasheet-3837.pdf?src-supplier=Digi-Key, ComponentLink3URL=https://datasheet.ciiva.com/3/bu2032sm-jj-gtr-datasheet-3837.pdf?src-supplier=Digi-Key, Manufacturer Part Number=BU2032SM-JJ-GTR, Mount="Surface Mount,PCB", Number of Cells=1, Pricing 1="1 = 0,99000, 10 = 0,83600, 100 = 0,69070 (USD)", RoHS=Yes, Stock 1=93681, Supplier 1=Digi-Key, Termination=SMD/SMT
D1: "LED GREEN570NM SMD 0603 2V 20mA 40mcd", Case/Package=0603, Case Code (Metric)=1608, Color=Green, Forward Current=30mA, Forward Voltage=2V, Internal Part Number=LED000005, Manufacturer="Wurth Electronics", Max Operating Temperature=85°C, Min Operating Temperature=-40°C, Package Quantity=1, Supplier Part Number 1=732-4980-1-ND, Test Current=20mA, Case Code (Imperial)=0603, ComponentLink1Description=https://datasheet.ciiva.com/23843/150060vs75000-23843249.pdf?src-supplier=Newark, ComponentLink1URL=https://datasheet.ciiva.com/23843/150060vs75000-23843249.pdf?src-supplier=Newark, ComponentLink2Description=https://datasheet.ciiva.com/29279/759431-da-01-en-chipled-0603-w-kl-h-gruen-150060vs7500-29279199.pdf?src-supplier=Conrad, ComponentLink2URL=https://datasheet.ciiva.com/29279/759431-da-01-en-chipled-0603-w-kl-h-gruen-150060vs7500-29279199.pdf?src-supplier=Conrad, ComponentLink3Description=https://datasheet.ciiva.com/29562/150060vs75000-29562919.pdf?src-supplier=Digi-Key, ComponentLink3URL=https://datasheet.ciiva.com/29562/150060vs75000-29562919.pdf?src-supplier=Digi-Key, ComponentLink4Description=https://datasheet.ciiva.com/29562/150060vs75000-29562920.pdf?src-supplier=Digi-Key, ComponentLink4URL=https://datasheet.ciiva.com/29562/150060vs75000-29562920.pdf?src-supplier=Digi-Key, ComponentLink5Description=https://datasheet.ciiva.com/29562/150060vs75000-29562921.pdf?src-supplier=Digi-Key, ComponentLink5URL=https://datasheet.ciiva.com/29562/150060vs75000-29562921.pdf?src-supplier=Digi-Key, ComponentLink6Description=https://datasheet.ciiva.com/48430/150060vs75000-eng-tds-48430043.pdf?src-supplier=Distrelec, ComponentLink6URL=https://datasheet.ciiva.com/48430/150060vs75000-eng-tds-48430043.pdf?src-supplier=Distrelec, Dominant Wavelength=570nm, Height=0.7mm, Length=1.6mm, Lens Style=Clear,Rectangular, Luminous Intensity=40mcd, Manufacturer Part Number=150060VS75000, Mount="Surface Mount", Number of Pins=2, Packaging="Tape and Reel", Pricing 1="1 = 0,14000, 50 = 0,12900, 100 = 0,11000, 500 = 0,09500 (USD)", REACH SVHC=Unknown, RoHS=Yes, Stock 1=94015, Supplier 1=Digi-Key, Viewing Angle=140°, Wavelength=570nm, Width=0.8mm
L1: "IND 2U2 2A5 28mR 30% SMD FERRITE WURTH", Case/Package=1919, Case Code (Metric)=4848, Current Rating=2.5A, DC Resistance (DCR)=28mR, Inductance=2.2uH, Inductance Tolerance=30%, Internal Part Number=L000009, Manufacturer="Wurth Electronics", Max Operating Temperature=125°C, Min Operating Temperature=-40°C, Package Quantity=500, Saturation Current="2.35A (sat)", Self Resonant Frequency=100MHz, Supplier Part Number 1=732-1095-1-ND, Test Frequency=100kHz, Case Code (Imperial)=1919, ComponentLink1Description=https://datasheet.ciiva.com/11803/0900766b80febc3e-11803289.pdf?src-supplier=RSComponents, ComponentLink1URL=https://datasheet.ciiva.com/11803/0900766b80febc3e-11803289.pdf?src-supplier=RSComponents, ComponentLink2Description=https://datasheet.ciiva.com/7754/1735426-7754427.pdf?src-supplier=Element14, ComponentLink2URL=https://datasheet.ciiva.com/7754/1735426-7754427.pdf?src-supplier=Element14, ComponentLink3Description=https://datasheet.ciiva.com/13277/7440430022-66848-13277005.pdf?src-supplier=Mouser, ComponentLink3URL=https://datasheet.ciiva.com/13277/7440430022-66848-13277005.pdf?src-supplier=Mouser, ComponentLink4Description=https://datasheet.ciiva.com/1075/7440430022-1075984.pdf?src-supplier=Digi-Key, ComponentLink4URL=https://datasheet.ciiva.com/1075/7440430022-1075984.pdf?src-supplier=Digi-Key, ComponentLink5Description=https://datasheet.ciiva.com/23782/1645803-23782392.pdf?src-supplier=Newark, ComponentLink5URL=https://datasheet.ciiva.com/23782/1645803-23782392.pdf?src-supplier=Newark, ComponentLink6Description=https://datasheet.ciiva.com/1075/7440430022-1075985.pdf?src-supplier=Digi-Key, ComponentLink6URL=https://datasheet.ciiva.com/1075/7440430022-1075985.pdf?src-supplier=Digi-Key, ComponentLink7Description=https://datasheet.ciiva.com/1075/7440430022-1075986.pdf?src-supplier=Digi-Key, ComponentLink7URL=https://datasheet.ciiva.com/1075/7440430022-1075986.pdf?src-supplier=Digi-Key, ComponentLink8Description=https://datasheet.ciiva.com/48690/001087187-da-01-ml-we-tpc-smd-speicherdrossel-7440430-de-en-48690886.pdf?src-supplier=Conrad, ComponentLink8URL=https://datasheet.ciiva.com/48690/001087187-da-01-ml-we-tpc-smd-speicherdrossel-7440430-de-en-48690886.pdf?src-supplier=Conrad, Composition=Wirewound, Core Material=Ferrite, Depth=4.8mm, Height=2.8mm, Height - Seated (Max)=0.118inch, Lead Free="Lead Free", Length=4.8mm, Manufacturer Part Number=7440430022, Max DC Current=2.5A, Mount="Surface Mount", Packaging="Tape and Reel", Pricing 1="1 = 1,43000, 10 = 1,38900, 50 = 1,31900, 100 = 1,21500, 250 = 1,14600 (USD)", REACH SVHC=Unknown, RMS Current (Irms)=2.5A, RoHS=Yes, Series Resistance=28mR, Shielding=Shielded, Stock 1=3943, Supplier 1=Digi-Key, Termination=SMD/SMT, Tolerance=30%, Weight=0.009065oz, Width=4.8mm
MECH1: "CARD LATCH MINI PCIE 3.05mm HEIGHT", Case/Package=SMD/SMT, Contact Resistance=55mR, Current Rating=500mA, Flammability Rating="UL94 V-0", Internal Part Number=MISC000005, Manufacturer="JAE Electronics", Max Operating Temperature=80°C, Min Operating Temperature=-40°C, Package Quantity=1, Supplier Part Number 1=670-2277-1-ND, ComponentLink1Description=https://datasheet.ciiva.com/682/sj105221-682461.pdf?src-supplier=Digi-Key, ComponentLink1URL=https://datasheet.ciiva.com/682/sj105221-682461.pdf?src-supplier=Digi-Key, ComponentLink2Description=https://datasheet.ciiva.com/7655/332202-7655815.pdf?src-supplier=Element14, ComponentLink2URL=https://datasheet.ciiva.com/7655/332202-7655815.pdf?src-supplier=Element14, Contact Material="Stainless Steel,Tin", Contact Plating=Tin, Height=5.9mm, Manufacturer Part Number=MM60-EZH059-B5-R650, Mating Cycles=50, Mount=Socket, Packaging="Tape and Reel", Pricing 1="1 = 1,22000, 10 = 1,07500, 25 = 1,01160, 50 = 0,96940, 100 = 0,92720, 250 = 0,84296 (USD)", REACH SVHC=Unknown, RoHS=Yes, Stock 1=14566, Supplier 1=Digi-Key, Termination=Solder
MH1 MH2 MH3 MH4: library part MECH-HOLE-PTH-2.85MM-5.4MM, "2.85mm Diameter 5.4mm Pad Plated Through Hole"